# Altium PCB PCB1.PcbDoc (part 6 of 9)
Units mil, origin at the board's own origin, x right, y up, seen from the top; angles counter-clockwise.
Board outline 6000 x 4000 mil, 7 copper layers (Top Layer, InternalPlane1, MidLayer1, InternalPlane2, Internal Plane 3, MidLayer2, Bottom Layer); 389 components, 0 nets, 1750 pads, 1189 vias.
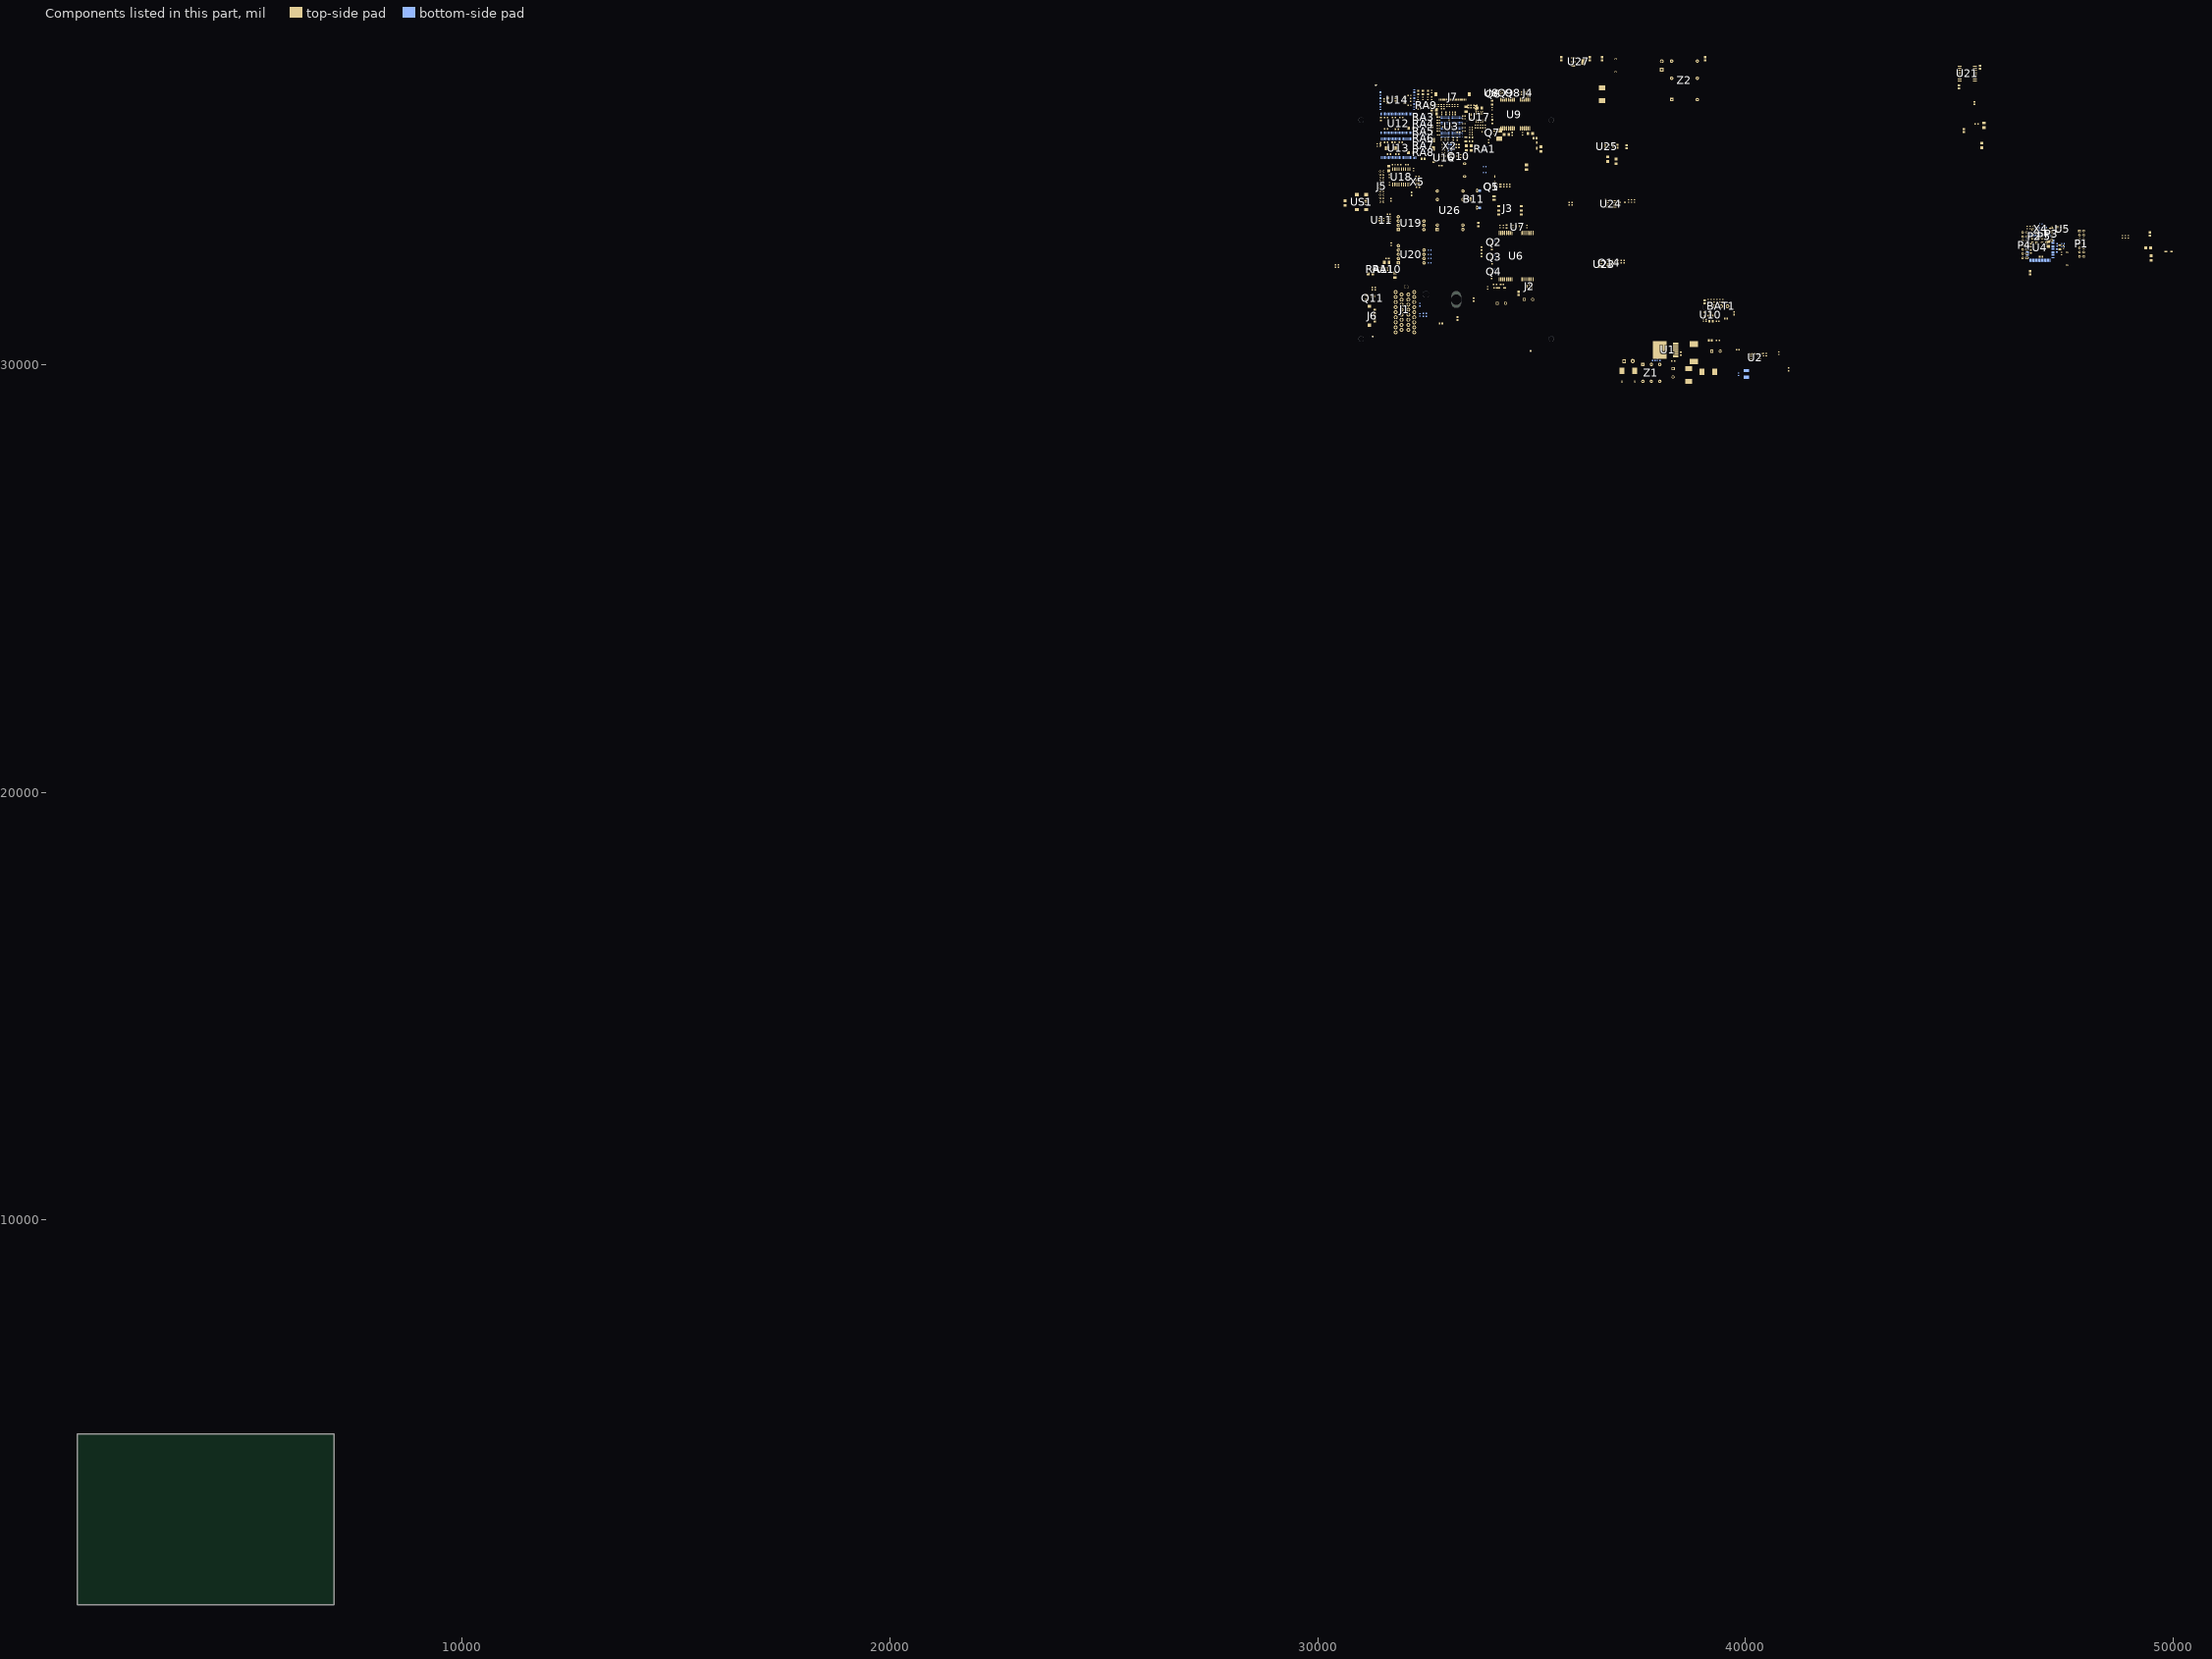
[diagram p11: the components of this part, seen from the top]

## Via types
v1: diameter 18, hole 10, Top Layer to Bottom Layer, tented both sides, 402 vias
v2: diameter 20, hole 10, Top Layer to Bottom Layer, tented both sides, 376 vias
v3: diameter 25, hole 15, Top Layer to Bottom Layer, tented both sides, 361 vias
v4: diameter 23.62, hole 11.81, Top Layer to Bottom Layer, tented both sides, 45 vias
v5: diameter 50, hole 28, Top Layer to Bottom Layer, tented both sides, 4 vias
v6: diameter 30, hole 15, Top Layer to Bottom Layer, tented both sides, 1 vias

## Nets (pads, with @x,y where several pads share a name; then routed paths per layer and width w, separated by ;. In a path a pad name is that pad's centre, name@x,y a point inside that pad or via, vN(x,y) a via of type N, cw(c..) or ccw(c..) an arc to the next point about the centre after c; other vN are vias at no path point) (continued)
copper on no net: (continued)
  MidLayer1 w10: 31540.64,34373.17 31585.91,34418.45 31585.91,34561.03 31789.79,34764.91 32784.73,34764.91 32796.43,34753.2 32937.23,34753.2 v2(32938.19,34754.16) v2@32938.19,34753.18 ; 32923.8,34753.2 ccw(c32923.8,34768.55) v2@32934.65,34757.7 ; v1@33016,35567.5 v1@33017.98,35567.5 ; v1@33267.98,35372.56 cw(c33267.98,35362.9) 33274.8,35369.73 cw(c33281.63,35376.56) v1@33271.98,35376.56 ; v1(33267.98,35376.56) 33381.19,35263.35 v2(33381.19,35229.47) 33381.19,35104.47 33430.4,35055.26 33430.4,34822.98 v2(33603.63,34649.75) ; v2@33377.65,35225.94 cw(c33369.12,35217.4) 33381.19,35217.4 cw(c33393.26,35217.4) v2@33384.72,35225.94 ; v2@33377.65,35233.01 ccw(c33369.12,35241.54) 33381.19,35241.54 ccw(c33393.26,35241.54) v2@33384.72,35233.01 ; v1(33476.23,35550.77) v1@33476.66,35550.34 ; v2@33598.63,34649.75 ccw(c33586.56,34649.75) 33595.09,34658.28 ccw(c33603.63,34666.82) v2@33603.63,34654.75 ; v2@33920.96,31744.82 ccw(c33912.43,31753.35) 33924.5,31753.35 ccw(c33936.57,31753.35) v2@33928.03,31744.82 ; v2(33924.5,31741.28) 33924.5,32521.8 v2(33926.46,32523.76) ; 33924.5,32506.94 cw(c33943.29,32506.94) v2@33930,32520.23 ; 34026.86,34165.5 34026.86,32014.91 34231.58,31810.18 ; 34165.64,34156.64 34165.64,32857.42 v2(34194.18,32828.88) ; v2@34189.18,32828.88 ccw(c34177.11,32828.88) 34185.64,32837.42 ccw(c34194.18,32845.95) v2@34194.18,32833.88 ; v2@34191.03,33859.51 cw(c34191.03,33847.44) 34199.57,33855.98 cw(c34208.1,33864.51) v2@34196.03,33864.51 ; v2(34191.03,33864.51) 34751.27,33304.28 v2(34751.27,33203.88) ; v2@34205.99,32978.49 34228.63,32955.85 34228.63,32053.29 34305.4,31976.52 34568.2,31976.52 v2(34624.3,31920.42) ; 34208.94,34121.21 34855.6,33474.55 v2(34855.6,33166.48) ; v2@34212.96,32981.44 ccw(c34236.91,32981.44) 34219.98,32964.5 ; v2@34232.97,33471.02 cw(c34224.43,33462.48) 34236.5,33462.48 cw(c34248.58,33462.48) v2@34240.04,33471.02 ; v2(34236.5,33474.55) 34236.5,33428.29 34455.99,33208.8 v2(34455.99,33204.87) ; v2@34264.06,33569.94 cw(c34264.06,33557.87) 34272.6,33566.41 cw(c34281.13,33574.94) v2@34269.06,33574.94 ; v2(34264.06,33574.94) v2(34609.54,33229.47) ; v2(34429.42,36406.64) 34559.34,36406.64 v2(34705.99,36259.98) ; v2@34432.95,36403.1 cw(c34441.49,36394.57) 34441.49,36406.64 cw(c34441.49,36418.71) v2@34432.95,36410.17 ; 34444.67,33220.12 cw(c34429.42,33204.87) v2@34450.99,33204.87 ; v2@34604.54,33229.47 ccw(c34592.46,33229.47) 34601,33238.01 ccw(c34609.54,33246.54) v2@34609.54,33234.47 ; v2@34619.3,31920.42 ccw(c34607.23,31920.42) 34615.76,31928.95 ccw(c34624.3,31937.49) v2@34624.3,31925.42 ; v2@34700.99,36259.98 ccw(c34688.92,36259.98) 34697.46,36268.52 ccw(c34705.99,36277.06) v2@34705.99,36264.98 ; v2@34747.73,33207.42 ccw(c34739.2,33215.95) 34751.27,33215.95 ccw(c34763.34,33215.95) v2@34754.8,33207.42 ; v2@34852.06,33170.02 ccw(c34843.53,33178.55) 34855.6,33178.55 ccw(c34867.67,33178.55) v2@34859.13,33170.02 ; v2@39114.8,31217.28 cw(c39106.27,31208.75) 39118.34,31208.75 cw(c39130.41,31208.75) v2@39121.87,31217.28 ; v2(39118.34,31083.02) 39119.32,31084.01 v2(39199.05,31084.01) ; v2(39118.34,31220.82) 39118.34,31164.72 v2(39199.05,31084.01) ; v2@39121.87,31079.49 cw(c39132.79,31068.58) 39132.79,31084.01 ; v2@39194.05,31084.01 ccw(c39181.98,31084.01) 39190.51,31092.54 ccw(c39199.05,31101.08) v2@39199.05,31089.01 ; v2@39195.51,31080.47 ccw(c39186.98,31071.94) 39186.98,31084.01 ccw(c39186.98,31096.08) v2@39195.51,31087.54 ; v2@39200.03,31083.02 v2(39199.05,31084.01) ; v2@39288.03,31166.28 ccw(c39279.5,31174.82) 39291.57,31174.82 ccw(c39303.64,31174.82) v2@39295.1,31166.28 ; v2(39291.57,31162.75) 39291.57,31507.24 ; v2@45344.17,37005.17 cw(c45335.64,36996.63) 45347.71,36996.63 cw(c45359.78,36996.63) v2@45351.24,37005.17 ; 45347.71,36605.87 ccw(c45365.16,36605.87) v2@45352.82,36593.54 ; v2(45347.71,37008.7) 45347.71,36588.43 v2@45349.68,36586.46 ; 46458.09,32721.2 46487.61,32750.73 46487.61,32943.35 46487.51,32943.45 46487.51,33106.93 46532.89,33152.31 v2(46549.62,33152.31) ; 46458.09,32726.2 ccw(c46458.09,32738.28) 46466.62,32729.74 ccw(c46475.16,32721.2) 46463.09,32721.2 ; 46482.69,32148.37 v2(46596.87,32262.54) ; v2@46507.3,33000.73 46509.27,33000.73 46539.78,32970.22 v2(46539.78,32881.64) ; v2@46508.68,32996.32 cw(c46508.68,32984.25) 46517.21,32992.79 cw(c46525.75,33001.32) v2@46513.68,33001.32 ; v2(46510.84,33051.32) 46533.48,33051.32 v2@46660.84,32923.96 ; v2@46514.38,33047.79 cw(c46522.91,33039.25) 46522.91,33051.32 cw(c46522.91,33063.39) v2@46514.38,33054.86 ; v2@46536.24,32885.17 ccw(c46527.71,32893.71) 46539.78,32893.71 ccw(c46551.85,32893.71) v2@46543.32,32885.17 ; v2@46546.09,33148.77 ccw(c46537.55,33140.24) 46537.55,33152.31 ccw(c46537.55,33164.38) v2@46546.09,33155.84 ; v2@46591.87,32262.54 cw(c46579.79,32262.54) 46588.33,32254.01 cw(c46596.87,32245.47) v2@46596.87,32257.54 ; 46621.47,32139.51 46747.46,32265.5 46917.73,32265.5 v2(46980.72,32328.49) ; 46648.25,32936.55 cw(c46634.67,32922.98) v2@46653.87,32922.98 ; v2@46774.03,32229.08 v2(46775.02,32228.09) ; v2@46975.72,32328.49 cw(c46963.65,32328.49) 46972.19,32319.95 cw(c46980.72,32311.42) v2@46980.72,32323.49 ; v2(47138.2,32250.73) 47243.52,32250.73 v2(47317.34,32176.91) ; v2@47141.74,32247.2 cw(c47150.28,32238.66) 47150.28,32250.73 cw(c47150.28,32262.8) v2@47141.74,32254.27 ; v2@47312.34,32176.91 ccw(c47300.27,32176.91) 47308.8,32185.45 ccw(c47317.34,32193.98) v2@47317.34,32181.91
  MidLayer1 w12: 31931.39,33793.09 ccw(c31947.76,33793.09) v2@31936.18,33781.51 ; v2(31933.35,33778.68) 31931.39,33780.65 31931.39,34113.33 v2(32234.54,34416.48) ; v2(32119.38,36043.45) 32119.38,36133.02 v2@32208.94,36222.58 ; 32201.71,36215.35 cw(c32211.9,36205.16) v2@32211.9,36219.57 ; v2(33561.31,34807.23) 33664.65,34703.88 33664.65,33527.7 v2(33731.19,33461.17) ; v2(33573.12,34752.11) 33634.14,34691.09 33634.14,33765.89 33586.5,33718.25 v2(33586.5,33462.35) ; v2(33861.5,32211.76) 33861.5,32721.6 v2(33894.97,32755.06) ; 34072.13,34163.53 34072.13,32271.8 v2(34198.12,32145.81) ; 34136.11,34180.26 34136.11,32693.06 34195.16,32634 v2(34195.16,32485.38) ; v2(34287.69,33703.88) 34643,33348.57 v2(34643,33280.65) ; v2(34455.99,33204.87) 34478.63,33182.23 v2(34643,33182.23) ; 46527.97,32146.4 46659.86,32278.29 v2@46659.86,32388.53 ; 46591.94,32163.13 46697.26,32268.45 v2@46697.26,32381.64 ; v2@46655.06,32385.7 cw(c46643.48,32374.12) 46659.86,32374.12
  MidLayer1 w20: v2(31275.3,33797.85) 31277.16,33796 31277.16,33493.94 v2(31395.95,33375.14) ; 32258.16,31351.52 32425.48,31518.84 32425.48,33203.75 32487.27,33265.54 ; 32258.16,31469.63 32386.11,31597.58 32386.11,33258.02 32493.39,33365.3 ; v1@33401.86,35375.26 v1(33402.29,35375.69) ; v2(34082.96,35908.61) 34149.89,35841.68 34149.89,35530.65 34240.44,35440.1 v2(34482.57,35440.1)
  MidLayer1 w25: v5@32201.07,34103.49 32772.92,34675.34 v2(32772.92,34740.3) ; 34265.05,35175.34 34265.05,35294.43 34356.58,35385.97 34486.5,35385.97 34570.17,35469.63 v2(34689.26,35469.63) ; v2(46657.89,33092.27) v2@46660.35,33094.73 ; v2@46657.89,33097.19 46659.86,33097.19 46720.88,33158.21
  MidLayer2 w5: v2(31241.43,33947.98) 31241.43,33682.69 31348.16,33575.95 31348.16,32856.87 31274.89,32783.61 31274.89,32424.16 31312.29,32386.76 31312.29,32179.98 31240.74,32108.43 31240.74,32069.8 31463.68,31846.85 31463.68,31617.63 31787.57,31293.74 ; v2@31393.23,31144.59 v2(31393.98,31143.84) ; v2(31506.79,34805.64) 31522.16,34821.01 32527.38,34821.01 32938.49,35232.12 33015.27,35232.12 33047.5,35264.36 33047.5,35408.06 v1(33016.01,35439.55) ; v2@31506.79,34813.14 ccw(c31506.79,34831.25) 31519.6,34818.44 ccw(c31532.4,34805.64) v2@31514.29,34805.64 ; 31542.27,34137.31 31615.42,34210.45 31615.42,34420.85 31798.49,34603.92 32522.57,34603.92 v1(33006.49,35087.85) 33023.88,35105.23 33023.88,35192.11 33094.75,35262.98 33094.75,35455.3 v1(33110.49,35471.05) ; v2(31569.79,34800.72) 31742.03,34800.72 31781.78,34760.97 32580.01,34760.97 33063.25,35244.21 33063.25,35423.8 v1(33079,35439.55) ; v2@31575.09,34795.41 cw(c31587.89,34782.61) 31587.89,34800.72 cw(c31587.89,34818.82) v2@31575.09,34806.02 ; 31598.28,32777.27 32434.34,33613.33 32712.88,33613.33 33315.24,34215.69 33315.24,35430.67 33283.72,35462.19 33283.72,35486.8 v1(33268.11,35502.42) ; 31631.19,32770.81 32449.1,33588.72 32718.79,33588.72 33330.99,34200.93 33330.99,35439.53 v1(33299.47,35471.05) ; v4@31655.09,34094.76 ccw(c31639.2,34110.65) 31661.68,34110.65 ccw(c31684.15,34110.65) v4@31668.26,34094.76 ; v4(31661.68,34088.17) 31661.68,34423.8 31813.25,34575.38 32572.57,34575.38 32965.28,34968.1 v1(33002.23,34968.1) 33047.5,35013.37 33047.5,35175.77 33126.24,35254.51 33126.24,35392.31 v1(33110.49,35408.06) ; v4@31683.63,34324.09 ccw(c31667.74,34339.98) 31690.22,34339.98 ccw(c31712.7,34339.98) v4@31696.8,34324.09 ; v4(31690.22,34317.51) 31690.22,34424.79 31826.05,34560.62 32637.07,34560.62 33148.88,35072.43 33148.88,35217.11 v1(33135.1,35230.89) ; v2(31695.77,34892.48) 31721.74,34918.45 31829.02,34918.45 31888.08,34859.39 32515.57,34859.39 33000.26,35344.08 33000.26,35455.3 v1(33016.01,35471.05) ; v2@31695.77,34899.98 ccw(c31695.77,34918.09) 31708.57,34905.28 ccw(c31721.38,34892.48) v2@31703.27,34892.48 ; v4@31724.18,33400.67 31961.44,33637.94 32705.99,33637.94 33283.48,34215.42 33283.48,35426.02 33267.98,35441.52 v1(33267.98,35471.05) ; v4@31729.59,33411.38 ccw(c31729.59,33424.17) 31738.63,33415.13 ; v4@31729.59,33416.38 ccw(c31729.59,33441.24) 31747.16,33423.66 ; v4@31730.57,33470.44 ccw(c31730.57,33487.97) 31742.97,33475.57 ; v4@31730.57,33475.44 ccw(c31730.57,33505.04) 31751.51,33484.11 ; v4@31731.56,33533.51 ccw(c31731.56,33548.86) 31742.41,33538 ; v4@31732.05,33464.65 31934.86,33667.46 32704.02,33667.46 v2(33097.72,34061.17) ; v4@31735.49,33531.09 31900.41,33696.01 32699.1,33696.01 33251.98,34248.88 33251.98,35487.04 v1(33236.48,35502.54) ; v4@31735.87,33524.2 cw(c31753.4,33524.2) 31741,33536.6 ; v4@31738.9,33407.07 cw(c31759,33407.07) 31744.79,33421.29 ; v4@31739.88,33466.13 cw(c31755.23,33466.13) 31744.38,33476.98 ; v4@31740.87,33524.2 cw(c31770.48,33524.2) 31749.54,33545.13 ; v2@31758.76,34884.98 cw(c31758.76,34866.87) 31771.57,34879.68 cw(c31784.37,34892.48) v2@31766.26,34892.48 ; v2(31758.76,34892.48) 31812.52,34838.72 32517.54,34838.72 32921.77,35242.95 32969.28,35242.95 33031.51,35305.18 33031.51,35392.56 v1(33016.01,35408.06) ; 31787.57,31292.46 31962.88,31292.46 ; v2@31790.26,34795.19 cw(c31790.26,34777.08) 31803.06,34789.88 cw(c31815.87,34802.69) v2@31797.76,34802.69 ; v2(31790.26,34802.69) 31813.28,34779.67 32545.56,34779.67 32972.21,35206.32 ; v2@31853.61,34792.46 31859.52,34798.37 32535.26,34798.37 v1(32942.19,35205.3) ; v4(31858.53,34535.02) 31858.53,34536.01 32634.12,34536.01 33159.71,35061.6 33159.71,35383.45 33126.49,35416.67 33126.49,35518.04 v1(33110.49,35534.04) ; v2@31858.91,34794.2 cw(c31868.98,34784.14) 31868.98,34798.37 ; v2@31858.91,34804.81 ccw(c31874.46,34820.35) 31874.46,34798.37 ; v4@31861.57,34531.98 cw(c31871.31,34522.24) 31871.31,34536.01 ; v4@31865.11,34528.44 cw(c31883.38,34510.17) 31883.38,34536.01 ; v4@31865.11,34541.61 ccw(c31878.63,34555.13) 31878.63,34536.01 ; 31895.95,32794.43 31895.95,32988.33 32471.74,33564.12 32726.66,33564.12 33346.96,34184.42 33346.96,35577.67 33327.61,35597.03 33142.97,35597.03 33126.24,35613.76 33126.24,35707.27 v1(33141.99,35723.02) ; v1@31911.94,35250.23 ccw(c31891.2,35270.97) 31920.53,35270.97 ; v1@31915.48,35246.7 ccw(c31903.27,35258.9) 31920.53,35258.9 ; v1(31916.54,35245.64) 31920.53,35249.63 31920.53,35572.43 32110.49,35762.39 32175.46,35762.39 32267.97,35854.91 32503.21,35854.91 32595.73,35762.39 32913.65,35762.39 v1(32953.01,35723.02) ; v2@31919.24,35748.13 ccw(c31919.24,35767.84) 31933.18,35753.9 ; v4(31920.53,34513.37) 31919.55,34512.39 32640.48,34512.39 33173.49,35045.39 33173.49,35384.43 33157.49,35400.43 33157.49,35549.54 v1(33173.49,35565.54) ; v2@31920.56,35741.28 31952.49,35773.21 32161.68,35773.21 32256.16,35867.7 32509.12,35867.7 32602.62,35774.2 ; v4@31923.58,34516.42 ccw(c31933.32,34526.16) 31933.32,34512.39 ; v2@31926.74,35740.63 cw(c31943.24,35740.63) 31931.58,35752.3 ; v4@31927.12,34506.79 cw(c31940.64,34493.27) 31940.64,34512.39 ; v4@31927.12,34519.96 ccw(c31945.39,34538.23) 31945.39,34512.39 ; v1@31946.45,35493.05 ccw(c31935.35,35504.15) 31951.05,35504.15 ccw(c31966.74,35504.15) v1@31955.64,35493.05 ; v1@31947.74,34890.1 cw(c31947.74,34874.41) 31958.83,34885.5 cw(c31969.93,34896.6) v1@31954.24,34896.6 ; v1(31947.74,34896.6) 31965.81,34878.53 32470.73,34878.53 32698.09,35105.89 32698.09,35208.25 32871.32,35381.48 32871.32,35426.76 32906.02,35461.45 32906.02,35477.47 32915.59,35487.04 33063.5,35487.04 33094.5,35518.04 33094.5,35613.03 v1(33016.01,35691.52) ; v1(31951.05,35488.46) 31951.05,35514.36 32276.03,35839.34 32495.16,35839.34 32583.92,35750.58 32893.96,35750.58 v1(32921.52,35723.02) ; v4@31960.89,34478.47 cw(c31960.89,34455.99) 31976.78,34471.89 cw(c31992.68,34487.78) v4@31970.2,34487.78 ; v4(31960.89,34487.78) 31981.56,34467.11 32681.82,34467.11 33220.48,35005.77 33220.48,35508.47 33246.6,35534.59 33268.53,35534.59 v1(33299.47,35565.54) ; 31962.88,31410.57 31775.43,31410.57 31562.16,31623.85 31562.16,31876.33 31341.16,32097.33 31341.16,32367.85 31374.16,32400.85 31374.16,33365.12 31373.45,33365.82 31373.45,33895.95 31415.64,33938.13 31500.58,33938.13 31542.27,33979.83 31506.16,34015.94 31506.16,34156.09 31529.79,34179.71 31561.28,34179.71 31590.81,34209.24 31590.81,34420.85 31789.19,34619.24 32472.26,34619.24 v1(33004.2,35151.17) ; v1@31974.01,34911.67 ccw(c31962.91,34922.76) 31978.6,34922.76 ccw(c31994.3,34922.76) v1@31983.2,34911.67 ; v1(31978.6,34907.07) 31978.6,34961.21 ccw(c31971.1,34961.21) 31971.1,34968.71 31967.32,34968.71 cw(c31967.32,34976.21) 31959.82,34976.21 cw(c31967.32,34976.21) 31967.32,34983.71 31989.89,34983.71 ccw(c31989.89,34991.21) 31997.39,34991.21 ccw(c31989.89,34991.21) 31989.89,34998.71 31967.32,34998.71 cw(c31967.32,35006.21) 31959.82,35006.21 cw(c31967.32,35006.21) 31967.32,35013.71 31989.89,35013.71 ccw(c31989.89,35021.21) 31997.39,35021.21 ccw(c31989.89,35021.21) 31989.89,35028.71 31986.1,35028.71 cw(c31986.1,35036.21) 31978.6,35036.21 31978.6,35042.9 31989.21,35053.51 cw(c31994.51,35048.2) 31999.81,35053.51 32002.49,35050.83 ccw(c32007.8,35056.13) 32013.1,35050.83 ccw(c32007.8,35056.13) 32013.1,35061.43 31997.14,35077.39 cw(c32002.45,35082.7) 31997.14,35088 cw(c32002.45,35082.7) 32007.75,35088 32010.42,35085.33 ; v1@31986.48,35477.34 cw(c31986.48,35461.65) 31997.57,35472.75 cw(c32008.67,35483.84) v1@31992.98,35483.84 ; v1(31986.48,35483.84) 32061.29,35409.03 32138.17,35409.03 cw(c32138.17,35404.03) 32143.17,35404.03 32143.17,35394.88 ccw(c32148.17,35394.88) 32148.17,35389.88 ccw(c32148.17,35394.88) 32153.17,35394.88 32153.17,35423.19 cw(c32158.17,35423.19) 32158.17,35428.19 cw(c32158.17,35423.19) 32163.17,35423.19 32163.17,35394.88 ccw(c32168.17,35394.88) 32168.17,35389.88 ccw(c32168.17,35394.88) 32173.17,35394.88 32173.17,35423.19 cw(c32178.17,35423.19) 32178.17,35428.19 cw(c32178.17,35423.19) 32183.17,35423.19 32183.17,35394.88 ccw(c32188.17,35394.88) 32188.17,35389.88 ccw(c32188.17,35394.88) 32193.17,35394.88 32193.17,35423.19 cw(c32198.17,35423.19) 32198.17,35428.19 cw(c32198.17,35423.19) 32203.17,35423.19 32203.17,35394.88 ccw(c32208.17,35394.88) 32208.17,35389.88 ccw(c32208.17,35394.88) 32213.17,35394.88 32213.17,35423.19 cw(c32218.17,35423.19) 32218.17,35428.19 cw(c32218.17,35423.19) 32223.17,35423.19 32223.17,35394.88 ccw(c32228.17,35394.88) 32228.17,35389.88 ccw(c32228.17,35394.88) 32233.17,35394.88 32233.17,35423.19 cw(c32238.17,35423.19) 32238.17,35428.19 cw(c32238.17,35423.19) 32243.17,35423.19 32243.17,35394.88 ccw(c32248.17,35394.88) 32248.17,35389.88 ccw(c32248.17,35394.88) 32253.17,35394.88 32253.17,35423.19 cw(c32258.17,35423.19) 32258.17,35428.19 cw(c32258.17,35423.19) 32263.17,35423.19 32263.17,35394.88 ccw(c32268.17,35394.88) 32268.17,35389.88 ccw(c32268.17,35394.88) 32273.17,35394.88 32273.17,35423.19 cw(c32278.17,35423.19) 32278.17,35428.19 cw(c32278.17,35423.19) 32283.17,35423.19 32283.17,35394.88 ccw(c32288.17,35394.88) 32288.17,35389.88 ccw(c32288.17,35394.88) 32293.17,35394.88 32293.17,35423.19 cw(c32298.17,35423.19) 32298.17,35428.19 cw(c32298.17,35423.19) 32303.17,35423.19 32303.17,35394.88 ccw(c32308.17,35394.88) 32308.17,35389.88 ccw(c32308.17,35394.88) 32313.17,35394.88 32313.17,35404.03 cw(c32318.17,35404.03) 32318.17,35409.03 v1(32335.85,35409.03) ; 32010.43,35085.32 ccw(c32015.73,35090.63) 32021.03,35085.33 ccw(c32015.73,35090.63) 32021.03,35095.93 32018.36,35098.61 cw(c32023.66,35103.91) 32018.36,35109.21 cw(c32023.66,35103.91) 32028.96,35109.22 32039.57,35098.61 ccw(c32044.87,35103.91) 32050.17,35098.61 ccw(c32044.87,35103.91) 32050.18,35109.21 ; v4@32022.9,34492.7 32643.43,34492.7 33189.23,35038.5 33189.23,35549.79 v1(33204.98,35565.54) ; v4@32023.98,34487.69 cw(c32036.09,34475.57) 32036.09,34492.7 ; v4@32027.51,34484.15 cw(c32048.16,34463.5) 32048.16,34492.7 ; v4@32027.51,34497.32 ccw(c32038.65,34508.46) 32038.65,34492.7 ; v2@32040.75,32668.34 ccw(c32027.94,32681.14) 32046.05,32681.14 ccw(c32064.16,32681.14) v2@32051.35,32668.34 ; v2(32046.05,32663.04) 32046.05,33104.96 32484.54,33543.45 32740.44,33543.45 33367.41,34170.42 33367.41,34794.43 33407.76,34834.79 33407.76,35252.11 33378.24,35281.64 33378.24,35562.83 33328.28,35612.78 33157.74,35612.78 v1(33141.99,35628.53) ; 32050.17,35109.22 32039.57,35119.82 cw(c32044.87,35125.12) 32039.57,35130.43 cw(c32044.87,35125.12) 32050.17,35130.43 ; 32050.18,35130.43 32066.13,35114.47 ccw(c32071.44,35119.77) 32076.74,35114.47 ccw(c32071.44,35119.77) 32076.74,35125.07 ; v2@32066.83,32182.61 ccw(c32054.03,32195.41) 32072.13,32195.41 ccw(c32090.24,32195.41) v2@32077.44,32182.61 ; v2(32072.13,32177.31) 32072.13,33091.68 32503.24,33522.78 32751.27,33522.78 33382.17,34153.68 33382.17,34774.75 33440.08,34832.66 33440.08,35443.06 ; 32076.74,35125.08 32070.14,35131.68 cw(c32071.52,35133.05) 32070.14,35134.43 32274.86,35339.16 32323.09,35339.16 32354.8,35370.87 32354.8,35731.1 v1(32358.53,35734.83) ; v1@32077.03,35601.36 cw(c32077.03,35585.67) 32088.13,35596.76 cw(c32099.22,35607.86) v1@32083.53,35607.86 ; v1(32077.03,35607.86) 32187.34,35497.55 ccw(c32190.88,35501.08) 32194.41,35497.55 32200.67,35503.8 cw(c32204.2,35500.26) 32207.74,35503.8 cw(c32204.2,35500.26) 32207.74,35496.73 32188.16,35477.15 ccw(c32191.7,35473.62) 32188.16,35470.08 ccw(c32191.7,35473.62) 32195.23,35470.08 32214.81,35489.66 cw(c32218.35,35486.12) 32221.88,35489.66 cw(c32218.35,35486.12) 32221.88,35482.58 32215.63,35476.33 ccw(c32219.16,35472.8) 32215.63,35469.26 32222.7,35462.19 32234.23,35462.19 cw(c32234.23,35457.19) 32239.23,35457.19 32239.23,35448.35 ccw(c32244.23,35448.35) 32244.23,35443.35 ccw(c32244.23,35448.35) 32249.23,35448.35 32249.23,35476.03 cw(c32254.23,35476.03) 32254.23,35481.03 cw(c32254.23,35476.03) 32259.23,35476.03 32259.23,35448.35 ccw(c32264.23,35448.35) 32264.23,35443.35 ccw(c32264.23,35448.35) 32269.23,35448.35 32269.23,35476.03 cw(c32274.23,35476.03) 32274.23,35481.03 cw(c32274.23,35476.03) 32279.23,35476.03 32279.23,35448.35 ccw(c32284.23,35448.35) 32284.23,35443.35 ccw(c32284.23,35448.35) 32289.23,35448.35 32289.23,35457.19 cw(c32294.23,35457.19) 32294.23,35462.19 cw(c32294.23,35457.19) 32299.23,35457.19 32299.23,35448.35 ccw(c32304.23,35448.35) 32304.23,35443.35 ccw(c32304.23,35448.35) 32309.23,35448.35 32309.23,35457.19 cw(c32314.23,35457.19) 32314.23,35462.19 32319.12,35462.19 v1(32327.98,35471.04) ; 32120.36,31292.46 32042.61,31370.22 32042.61,31748.59 31659.73,32131.47 31659.73,32455.28 31571.16,32543.85 31571.16,32786.85 31500.58,32857.43 31500.58,33859.39 31542.27,33901.09 31634.12,33992.93 31634.12,34419.87 31805.38,34591.13 32552.42,34591.13 v1(33008.13,35046.84) 33034.71,35073.41 33034.71,35185.62 33110.49,35261.4 v1(33110.49,35376.56) ; 32120.36,31646.79 32188.28,31714.71 32188.28,31975.76 32118.39,32045.64 32118.39,32907.62 32132.48,32921.7 v2(32132.48,32952.59) v2@32130.2,32954.87 ; v2@32127.17,32947.29 cw(c32114.37,32934.49) 32132.48,32934.49 cw(c32150.58,32934.49) v2@32137.78,32947.29 ; v1(32137.07,35123.61) 32254.53,35241.07 ccw(c32251,35244.61) 32254.53,35248.14 32247.77,35254.9 cw(c32251.31,35258.44) 32247.77,35261.97 cw(c32251.31,35258.44) 32254.84,35261.97 32271.4,35245.42 ccw(c32274.93,35248.95) 32278.47,35245.42 ccw(c32274.93,35248.95) 32278.47,35252.49 32272.21,35258.75 32261.91,35269.05 cw(c32265.45,35272.58) 32261.91,35276.12 cw(c32265.45,35272.58) 32268.98,35276.12 32279.28,35265.82 32287.23,35257.87 ccw(c32290.77,35261.4) 32294.3,35257.87 ccw(c32290.77,35261.4) 32294.3,35264.94 32276.05,35283.19 cw(c32279.59,35286.72) 32276.05,35290.26 cw(c32279.59,35286.72) 32283.13,35290.26 32303.72,35269.66 ccw(c32307.26,35273.2) 32310.79,35269.66 ccw(c32307.26,35273.2) 32310.79,35276.73 32290.2,35297.33 cw(c32293.73,35300.87) 32290.2,35304.4 cw(c32293.73,35300.87) 32297.27,35304.4 32304.03,35297.64 ccw(c32307.56,35301.17) 32311.1,35297.64 32318.17,35304.71 v1(32353.6,35304.71) ; v1@32137.07,35130.11 ccw(c32137.07,35145.8) 32148.17,35134.7 ccw(c32159.26,35123.61) v1@32143.57,35123.61 ; v2@32144.58,32875.8 cw(c32134,32865.22) 32148.96,32865.22 ; 32148.96,32860.77 cw(c32170.22,32860.77) v2@32155.19,32875.8 ; v2(32149.88,32881.1) 32148.96,32881.1 32148.96,32062.09 32258.16,31952.9 32258.16,31705.85 ; v1(32168.57,35106.88) 32189.23,35106.88 32308.98,35226.62 cw(c32312.51,35223.08) 32316.05,35226.62 32318.69,35223.97 ccw(c32322.23,35227.51) 32325.76,35223.97 ccw(c32322.23,35227.51) 32325.76,35231.04 32319.58,35237.22 32309.14,35247.67 cw(c32312.68,35251.2) 32309.14,35254.74 cw(c32312.68,35251.2) 32316.21,35254.74 32332.83,35238.12 ccw(c32336.37,35241.65) 32339.9,35238.12 ccw(c32336.37,35241.65) 32339.9,35245.19 32333.73,35251.37 32323.28,35261.81 cw(c32326.82,35265.35) 32323.28,35268.88 cw(c32326.82,35265.35) 32330.35,35268.88 32351.24,35247.99 ccw(c32354.78,35251.53) 32358.31,35247.99 ccw(c32354.78,35251.53) 32358.31,35255.06 32337.42,35275.95 cw(c32340.96,35279.49) 32337.42,35283.02 cw(c32340.96,35279.49) 32344.5,35283.02 32365.38,35262.14 ccw(c32368.92,35265.67) 32372.45,35262.14 ccw(c32368.92,35265.67) 32372.45,35269.21 32365.55,35276.11 cw(c32369.08,35279.65) 32365.55,35283.19 cw(c32369.08,35279.65) 32372.62,35283.19 32379.52,35276.28 ccw(c32383.06,35279.81) 32386.6,35276.28 ccw(c32383.06,35279.81) 32386.6,35283.35 32379.69,35290.26 cw(c32383.22,35293.79) 32379.69,35297.33 v1(32387.07,35304.71) ; v1@32173.16,35102.28 cw(c32184.26,35091.18) 32184.26,35106.88 cw(c32184.26,35122.57) v1@32173.16,35111.47 ; v1(32231.2,35116.36) 32271.89,35157.05 cw(c32275.42,35153.51) 32278.96,35157.05 32285.72,35150.28 ccw(c32289.26,35153.82) 32292.79,35150.28 ccw(c32289.26,35153.82) 32292.79,35157.35 32282.49,35167.65 32276.46,35173.69 cw(c32279.99,35177.23) 32276.46,35180.76 cw(c32279.99,35177.23) 32283.53,35180.76 32289.56,35174.72 32299.87,35164.42 ccw(c32303.4,35167.96) 32306.94,35164.42 ccw(c32303.4,35167.96) 32306.94,35171.49 32290.6,35187.83 cw(c32294.13,35191.37) 32290.6,35194.9 cw(c32294.13,35191.37) 32297.67,35194.9 32303.71,35188.87 32314.01,35178.56 ccw(c32317.54,35182.1) 32321.08,35178.56 ccw(c32317.54,35182.1) 32321.08,35185.64 32310.78,35195.94 32304.74,35201.97 cw(c32308.28,35205.51) 32304.74,35209.05 cw(c32308.28,35205.51) 32311.81,35209.05 32328.15,35192.71 ccw(c32331.69,35196.24) 32335.22,35192.71 ccw(c32331.69,35196.24) 32335.22,35199.78 32328.45,35206.54 cw(c32331.99,35210.08) 32328.45,35213.61 cw(c32331.99,35210.08) 32335.53,35213.61 32342.29,35206.85 ccw(c32345.83,35210.38) 32349.36,35206.85 ccw(c32345.83,35210.38) 32349.36,35213.92 32342.6,35220.69 cw(c32346.13,35224.22) 32342.6,35227.76 32349.67,35234.83 32382.22,35234.83 v1(32387.09,35239.7) ; v1@32231.2,35122.86 ccw(c32231.2,35138.56) 32242.3,35127.46 ccw(c32253.39,35116.36) v1@32237.7,35116.36 ; v1@32331.25,35404.44 ccw(c32320.16,35393.34) 32320.16,35409.03 ccw(c32320.16,35424.72) v1@32331.25,35413.63 ; v1@32349.01,35300.11 ccw(c32337.91,35289.02) 32337.91,35304.71 ccw(c32337.91,35320.4) v1@32349.01,35309.31 ; 32354.8,35710.14 cw(c32383.21,35710.14) v1@32363.12,35730.23 ; 32354.8,35722.22 cw(c32371.14,35722.22) v1@32359.59,35733.77 ; 32359.64,35234.83 ccw(c32359.64,35267.16) v1@32382.5,35244.3 ; 32371.71,35234.83 ccw(c32371.71,35255.09) v1@32386.03,35240.76 ; 32377.61,35293.74 cw(c32385.5,35289.18) v1@32386.42,35298.24 ; 32380.14,35298.12 ccw(c32374.54,35301.35) v1@32380.79,35303.03 ; v2@32434.15,34433.77 cw(c32434.15,34412.84) 32448.95,34427.64 ; v2(32434.15,34441.27) 32435.32,34441.27 32458.94,34417.65 v2@33216.82,34417.65 ; v2@32435.52,36139.7 cw(c32448.14,36127.09) 32448.14,36144.93 ; v2(32437.29,36137.94) 32444.28,36144.93 32917.5,36144.93 33157.74,35904.69 33157.74,35707.27 v1(33173.49,35691.52) ; v2@32439.06,36136.17 cw(c32460.21,36115.02) 32460.21,36144.93 ; v2@32441.65,34441.27 ccw(c32456.93,34441.27) 32446.13,34430.47 ; v2@32442.59,36132.63 cw(c32472.28,36102.95) 32472.28,36144.93 ; v1@32534.53,35155.28 ccw(c32523.43,35166.38) 32539.12,35166.38 ccw(c32554.82,35166.38) v1@32543.72,35155.28 ; v1(32535.98,35651.87) 32545.98,35651.87 ; v1(32536.22,35519.81) 32575.59,35519.81 32711.87,35656.09 32988.45,35656.09 v1(33016.01,35628.53) ; v1(32538.98,35018.63) 32662.66,35142.31 32662.66,35224.99 32844.75,35407.07 32844.75,35493.69 32867.34,35516.28 32928.37,35516.28 32961.87,35549.79 33022.16,35549.79 33022.41,35550.04 ; v1@32538.98,35025.13 ccw(c32538.98,35040.82) 32550.07,35029.72 ccw(c32561.17,35018.63) v1@32545.48,35018.63 ; v1(32539.12,35150.69) 32539.12,35180.19 32752.23,35393.29 32752.23,35532.07 32817.19,35597.03 v1(32953.01,35597.03) ; v1@32540.82,35515.21 cw(c32551.91,35504.11) 32551.91,35519.81 cw(c32551.91,35535.5) v1@32540.82,35524.4 ; v1(32541.58,35484.81) 32553.41,35496.64 32571.12,35496.64 32718.51,35644.03 32937.51,35644.03 v1(32953.01,35628.53) ; v1@32541.58,35491.31 ccw(c32541.58,35507) 32552.67,35495.9 ccw(c32563.77,35484.81) v1@32548.08,35484.81 ; v1(32541.64,35115.69) 32628.21,35202.25 32628.21,35237.78 32803.41,35412.98 32803.41,35543.88 32840.85,35581.33 32968.8,35581.33 v1(32984.51,35597.03) ; v1@32541.64,35122.19 ccw(c32541.64,35137.88) 32552.74,35126.78 ccw(c32563.84,35115.69) v1@32548.14,35115.69 ; v1@32541.92,35649.23 cw(c32545.97,35647.42) 32545.97,35651.87 ; v1@32541.92,35654.51 ccw(c32545.97,35656.31) 32545.97,35651.87 ; v1(32542.36,34983.63) 32677.92,35119.18 32677.92,35215.64 32858.53,35396.25 32858.53,35483.84 32877.23,35502.54 32931.09,35502.54 32946.59,35518.04 33030.52,35518.04 33079,35566.52 v1(33079,35597.03) ; v1@32542.36,34990.13 ccw(c32542.36,35005.82) 32553.46,34994.72 ccw(c32564.56,34983.63) v1@32548.86,34983.63 ; v1(32542.58,35699.39) 32543.57,35700.38 32789.63,35700.38 32798.49,35709.24 32894.94,35709.24 32912.66,35691.52 v1(32921.52,35691.52) ; v1(32542.97,35080.69) 32647.9,35185.62 32647.9,35233.84 32823.09,35409.04 32823.09,35505.5 32867.38,35549.79 32906.75,35549.79 32923.49,35566.52 32985.49,35566.52 v1(33016.01,35597.03) ; v1@32542.97,35087.19 ccw(c32542.97,35102.88) 32554.06,35091.78 ccw(c32565.16,35080.69) v1@32549.47,35080.69 ; v1(32545.34,35352.75) 